# Altium PCB WunderBar_v102b.PcbDoc (part 5 of 7)
Units mil, origin at the board's own origin, x right, y up, seen from the top; angles counter-clockwise.
Board outline 4556.01 x 1552 mil, 4 copper layers (Top, Route2, Route15, Bottom), stack 52.756 mil thick; 380 components, 258 nets, 1400 pads, 528 vias.
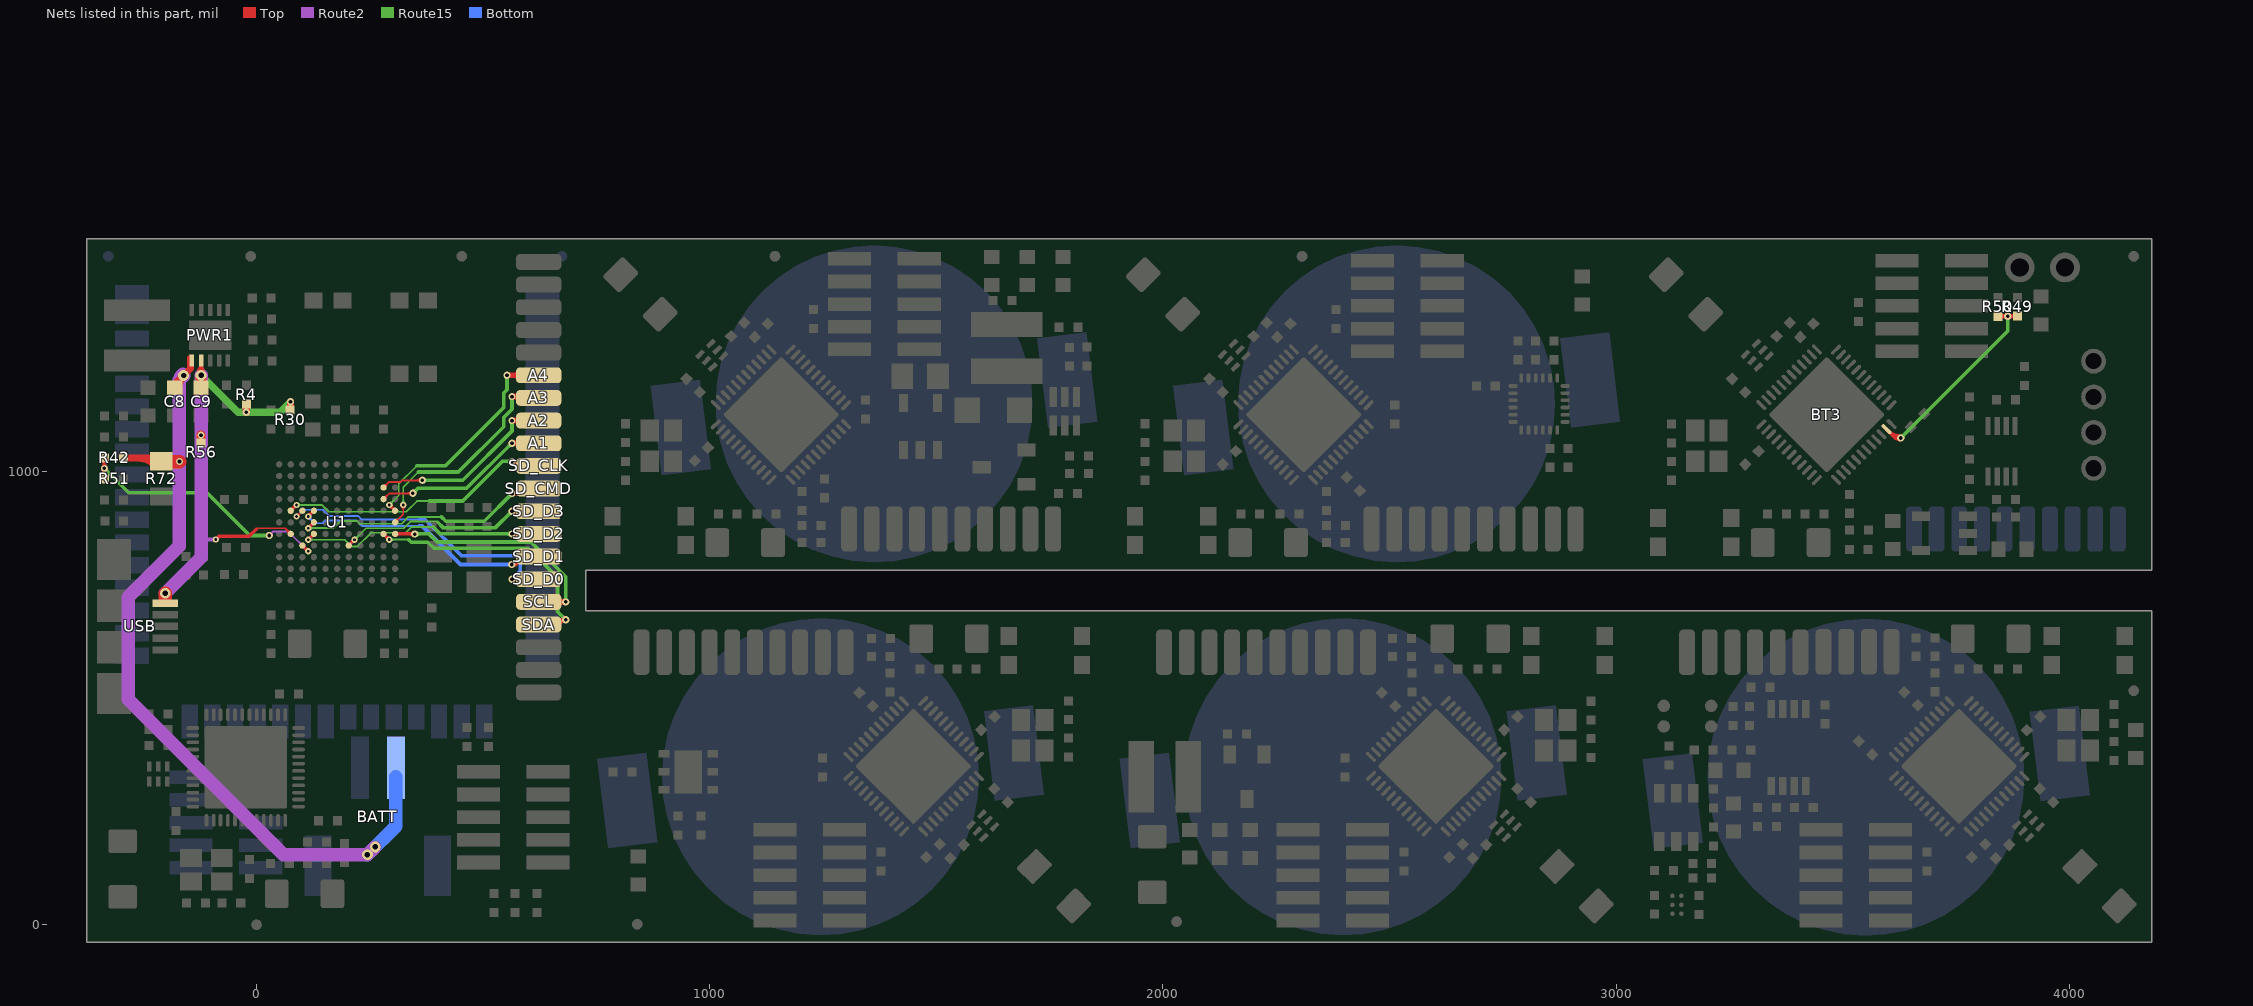
[diagram p7: the nets of this part, all layers, seen from the top]

## Via types
v1: diameter 16, hole 8, Top to Bottom, tented both sides, 282 vias
v2: diameter 24, hole 12, Top to Bottom, tented both sides, 135 vias
v3: diameter 14, hole 6, Top to Bottom, tented both sides, 34 vias
v4: diameter 48/41/41/48 (per signal layer), hole 32, Top to Bottom, 30 vias
v5: diameter 16, hole 8, Top to Route2, tented top, 18 vias
v6: diameter 21/21/21/21 (per signal layer), hole 12, Top to Bottom, tented both sides, 15 vias
v7: diameter 24, hole 12, Top to Route2, tented top, 12 vias
v8: diameter 21/21/21/21 (per signal layer), hole 12, Top to Bottom, 1 vias
v9: diameter 24, hole 8, Top to Bottom, tented both sides, 1 vias

## Nets (pads, with @x,y where several pads share a name; then routed paths per layer and width w, separated by ;. In a path a pad name is that pad's centre, name@x,y a point inside that pad or via, vN(x,y) a via of type N, cw(c..) or ccw(c..) an arc to the next point about the centre after c; other vN are vias at no path point) (continued)
USB_VBUS: C9.1 PWR1.2 R4.2 R30.1 R56.2 U1.G2 USB.1_VBUS | length 1114.2
  Top w4: -0.5,873 1.5,875 62.85,875 U1.G2@75.41,862.44 ; U1.G2@70.41,862.44 ccw(c58.34,862.44) 66.88,870.98 ccw(c75.41,879.51) U1.G2@75.41,867.44
  Top w8: -122.52,1225.48 PWR1.2@-122.52,1244.48 ; v3(-90,850) -83,857 -16.5,857 -0.5,873
  Top w16: v2(-122.52,1212.48) -122.52,1225.48 ; v1(-22.52,1130.77) R4.2@-22.52,1149.1 ; R30.1@73.93,1135.48 75,1136.55 v1(75,1154)
  Top w20: R56.2@-122.52,1063.15 v1(-122.52,1080.48)
  Top w24: C9.1@-122.52,1184.98 v2(-122.52,1212.48)
  Top w30: USB.1_VBUS@-201.52,716.66 v2(-201.52,731.48)
  Route2 w8: -122.04,810.96 -122,811 ; -122,850 v3@-91,850
  Route2 w30: v2(-201.52,731.48) -122.04,810.96 v2@-122.04,1212.48
  Route15 w16: v2@-122.04,1212 -40.81,1130.77 v1(-22.52,1130.77) 51.77,1130.77 v1(75,1154)
USER_A1: A1.1 U1.D10 | length 547.1
  Top w4: U1.D10@280.14,939.19 292.65,951.7 v1@345,951.7 ; U1.D10@280.14,944.19 ccw(c280.14,956.26) 288.68,947.73 ccw(c297.22,939.19) U1.D10@285.14,939.19 ; 329.79,951.7 ccw(c329.79,967.21) v1@340.76,956.24 ; 331.24,951.7 cw(c331.24,938.24) v1@340.76,947.76
  Top w8: v1@565.48,1059.02 cw(c570.31,1050.65) 572.81,1059.98 cw(c575.31,1069.31) v1@566.94,1064.48 ; v1@565.48,1065.94 ccw(c570.31,1074.31) 572.81,1064.98 ccw(c575.31,1055.65) v1@566.94,1060.48 ; v1@566.31,1059.65 cw(c573.14,1052.82) 573.14,1062.48 cw(c573.14,1072.14) v1@566.31,1065.31 ; A1.1@579.06,1054.54 ccw(c563.48,1043.22) v1(563.48,1062.48) ; A1.1@579.06,1070.42 cw(c563.48,1081.74) v1(563.48,1062.48) ; A1.1@622.48,1062.48 v1(563.48,1062.48)
  Route15 w8: v1(345,952) 356,963 463.33,963 562.82,1062.48 v1(563.48,1062.48) ; v1@345,956 ccw(c345,965.66) 351.83,958.83 ccw(c358.66,952) v1@349,952 ; 555.52,1055.18 cw(c563.48,1047.22) v1@563.48,1058.48 ; 557.12,1056.79 ccw(c551.43,1062.48) v1@559.48,1062.48
USER_A2: A2.1 U1.C10 | length 570.8
  Top w4: U1.C10@280.14,964.76 292.65,977.27 318.27,977.27 321.44,980.44 365.44,980.44 v1(365.91,980.91) ; U1.C10@280.14,969.76 ccw(c280.14,981.84) 288.68,973.3 ccw(c297.22,964.76) U1.C10@285.14,964.76 ; 350.3,980.44 ccw(c350.3,996.51) v1@361.66,985.15 ; 352.54,980.44 cw(c352.54,967.54) v1@361.66,976.66
  Top w8: v1@565.48,1109.02 cw(c570.31,1100.65) 572.81,1109.98 cw(c575.31,1119.31) v1@566.94,1114.48 ; v1@565.48,1115.94 ccw(c570.31,1124.31) 572.81,1114.98 ccw(c575.31,1105.65) v1@566.94,1110.48 ; v1@566.31,1109.65 cw(c573.14,1102.82) 573.14,1112.48 cw(c573.14,1122.14) v1@566.31,1115.31 ; A2.1@579.06,1104.54 ccw(c563.48,1093.22) v1(563.48,1112.48) ; A2.1@579.06,1120.42 cw(c563.48,1131.74) v1(563.48,1112.48) ; A2.1@622.48,1112.48 v1(563.48,1112.48)
  Route15 w8: v1(365.91,980.91) 454.91,980.91 563.48,1089.48 v1(563.48,1112.48) ; v1@368.73,978.08 cw(c375.56,971.25) 375.56,980.91 cw(c375.56,990.56) v1@368.73,983.73 ; v1@560.65,1109.65 cw(c553.82,1102.82) 563.48,1102.82 cw(c573.14,1102.82) v1@566.31,1109.65
USER_A3: A3.1 U1.F11 | length 644.4
  Top w4: U1.F11@305.74,888.02 323.65,905.93 v3(323.65,926.39) ; U1.F11@305.74,893.02 ccw(c305.74,905.1) 314.28,896.56 ccw(c322.81,888.02) U1.F11@310.74,888.02 ; v3@320.11,922.86 cw(c311.58,914.32) 323.65,914.32 cw(c335.72,914.32) v3@327.18,922.86
  Top w8: v1@564.63,1165.48 ccw(c564.63,1187.83) A3.1@580.43,1172.03 ; v1@565.48,1168.94 ccw(c570.82,1178.19) A3.1@573.58,1167.88 ; v1@565.86,1162.26 cw(c569.79,1156.95) 571.5,1163.33 cw(c573.21,1169.71) v1@567.15,1167.08 ; v1@566.31,1162.65 cw(c573.14,1155.82) 573.14,1165.48 cw(c573.14,1175.14) v1@566.31,1168.31 ; v1@566.94,1163.48 cw(c574.43,1159.16) 572.19,1167.51 ; A3.1@577.87,1156.52 ccw(c563.48,1149.45) v1(563.48,1165.48) A3.1@622.48,1165.48
  Route15 w4: v3@320.11,929.93 ccw(c311.58,938.47) 323.65,938.47 ccw(c335.72,938.47) v3@327.18,929.93 ; v3(323.65,926.39) 323.65,965.65 357,999
  Route15 w8: 357,999 445,999 545.17,1099.17 545.17,1119.49 563.48,1137.8 v1(563.48,1165.48) ; v1@560.65,1162.65 cw(c553.82,1155.82) 563.48,1155.82 cw(c573.14,1155.82) v1@566.31,1162.65
USER_A4: A4.1 U1.E11 | length 710.4
  Top w4: v3@292.39,921.42 cw(c291.18,910.4) U1.E11@300.79,915.95 ; v3@292.94,921.39 cw(c292.94,909.28) U1.E11@301.5,917.85 ; v3(292.94,926.39) U1.E11@305.74,913.61 ; v3@294.23,921.56 cw(c295.99,915.01) 299.38,920.89 ; v3@297.77,925.1 ccw(c304.25,923.36) 298.44,920.01 ; v3@297.91,926.95 ccw(c308.95,928.19) U1.E11@303.39,918.57 ; v3@297.94,926.39 ccw(c309.97,926.39) U1.E11@301.46,917.89 ; U1.E11@300.74,913.61 ccw(c288.67,913.61) 297.21,922.14 ccw(c305.74,930.68) U1.E11@305.74,918.61
  Top w8: v1(552.48,1212.48) A4.1@622.48,1212.48 ; v1@554.48,1209.02 cw(c561.48,1196.9) 565.1,1210.41 ; v1@554.48,1215.94 ccw(c561.48,1228.06) 565.1,1214.55 ; v1@555.31,1209.65 cw(c562.14,1202.82) 562.14,1212.48 cw(c562.14,1222.14) v1@555.31,1215.31 ; A4.1@580.43,1202.93 ccw(c557.39,1179.89) 557.39,1212.48 ccw(c557.39,1245.07) A4.1@580.43,1222.03
  Route15 w4: v3(292.94,926.39) 313.74,947.2 313.74,972.74 354,1013 ; v3@292.94,931.39 ccw(c292.94,943.47) 301.47,934.93 ccw(c310.01,926.39) v3@297.94,926.39
  Route15 w8: 354,1013 417,1013 545,1141 545,1173 552.48,1180.48 v1(552.48,1212.48) ; v1@549.65,1209.65 cw(c542.82,1202.82) 552.48,1202.82 cw(c562.14,1202.82) v1@555.31,1209.65
USER_I2C_SCL: SCL.1 U1.G11 | length 670.4
  Top w8: U1.G11@305.74,862.45 v1@349,862.45 ; U1.G11@307.86,860.33 cw(c312.99,855.21) 312.99,862.45 cw(c312.99,869.69) U1.G11@307.86,864.57 ; 338.26,862.45 cw(c338.26,851.26) v1@346.17,859.17 ; 340.43,862.45 ccw(c340.43,870.57) v1@346.17,864.83 ; SCL.1@622.48,712.48 v1(682,712.48) ; SCL.1@665.78,704.37 cw(c682,692.19) v1(682,712.48) ; SCL.1@665.78,720.59 ccw(c682,732.77) v1(682,712.48) ; v1@678.54,710.48 ccw(c670.17,705.65) 672.67,714.98 ccw(c675.17,724.31) v1@680,715.94 ; v1@678.54,714.48 cw(c670.17,719.31) 672.67,709.98 cw(c675.17,700.65) v1@680,709.02 ; v1@679.17,709.65 ccw(c672.34,702.82) 672.34,712.48 ccw(c672.34,722.14) v1@679.17,715.31
  Route15 w8: v1@349,862.45 380.55,862.45 398.43,844.57 605.43,844.57 682,768 v1(682,712.48) ; v1@351.83,859.17 cw(c359.74,851.26) 359.74,862.45 ; v1@351.83,864.83 ccw(c357.57,870.57) 357.57,862.45 ; v1@679.17,715.31 ccw(c672.34,722.14) 682,722.14 ccw(c691.66,722.14) v1@684.83,715.31
  other v1: 349,862
USER_I2C_SDA: SDA.1 U1.G10 | length 744.7
  Top w4: U1.G10@280.14,857.44 cw(c280.14,845.37) 288.68,853.91 cw(c297.22,862.44) U1.G10@285.14,862.44 ; U1.G10@280.14,862.44 v3(292.64,849.95) ; U1.G10@282.54,857.45 cw(c277.39,848.51) v3@287.66,849.48 ; U1.G10@285.14,860.04 ccw(c294.07,865.2) v3@293.1,854.93 ; 285.93,855.49 ccw(c289.5,861.66) v3@291.34,854.78 ; 287.09,856.65 cw(c280.92,853.09) v3@287.81,851.24 ; v3@287.64,849.95 ccw(c275.56,849.95) 284.1,858.49 ccw(c292.64,867.02) v3@292.64,854.95
  Top w8: SDA.1@622.48,662.48 633,673 v1(682,673) ccw(c682,659.29) SDA.1@668.39,660.9 ; SDA.1@660.44,661.84 cw(c673,660.36) 673,673 ; v1@679.17,670.17 ccw(c672.34,663.34) 672.34,673 ccw(c672.34,682.66) v1@679.17,675.83
  Route15 w4: v3(292.64,849.95) 335.05,849.95 ; v3@296.17,846.41 cw(c304.71,837.88) 304.71,849.95 cw(c304.71,862.02) v3@296.17,853.49
  Route15 w8: 335.05,849.95 341,844 378,844 391.33,830.67 599.67,830.67 664,766.33 664,691 v1(682,673) ; v1@678,673 ccw(c668.34,673) 675.17,679.83 ccw(c682,686.66) v1@682,677
USER_SD_CLK: SD_CLK.1 U1.E2 | length 760.1
  Top w4: U1.E2@75.41,913.6 v3(88.21,926.39) ; U1.E2@75.41,918.6 ccw(c75.41,930.67) 83.95,922.13 ccw(c92.48,913.6) U1.E2@80.41,913.6 ; U1.E2@77.76,918.56 ccw(c72.21,928.17) v3@83.24,926.95 ; U1.E2@80.37,915.94 cw(c89.98,910.4) v3@88.76,921.42 ; 81.79,920.89 cw(c85.17,915.05) v3@86.91,921.56 ; 82.7,919.98 ccw(c76.86,923.35) v3@83.38,925.1 ; v3@83.21,926.39 cw(c71.13,926.39) 79.67,917.86 cw(c88.21,909.32) v3@88.21,921.39
  Top w8: v1@566.31,1019.65 cw(c573.14,1012.82) 573.14,1022.48 cw(c573.14,1032.14) v1@566.31,1025.31 ; 572.5,1022.48 cw(c572.5,1010.38) SD_CLK.1@584.52,1011.82 ; SD_CLK.1@576.58,1010.87 ccw(c563.48,1009.29) v1(563.48,1022.48) SD_CLK.1@622.48,1022.48
  Route15 w4: v3(88.21,926.39) 143.92,926.39 158.84,911.47 196.78,911.47 ; v3@91.74,922.86 cw(c100.28,914.32) 100.28,926.39 cw(c100.28,938.47) v3@91.74,929.93 ; 196.8,911.49 330.23,911.49 330.48,911.23 354.25,935 381,935
  Route15 w8: 381,935 455,935 542.48,1022.48 v1(563.48,1022.48) ; v1@560.65,1019.65 ccw(c553.82,1012.82) 553.82,1022.48 ccw(c553.82,1032.14) v1@560.65,1025.31
USER_SD_CMD: SD_CMD.1 U1.F4 | length 728
  Top w4: v3@113.23,880.21 ccw(c112.02,891.21) U1.F4@121.61,885.68 ; v3(113.78,875.24) U1.F4@126.57,888.02 ; v3@113.78,880.24 ccw(c113.78,892.31) 122.32,883.77 ccw(c130.85,875.24) v3@118.78,875.24 ; v3@115.08,880.07 ccw(c116.83,886.6) 120.21,880.74 ; v3@118.61,876.53 cw(c125.14,878.28) 119.29,881.66 ; v3@118.75,874.69 cw(c129.76,873.47) U1.F4@124.22,883.06 ; U1.F4@121.57,888.02 cw(c109.5,888.02) 118.03,879.49 cw(c126.57,870.95) U1.F4@126.57,883.02
  Top w8: v1@566.31,948.65 cw(c573.14,941.82) 573.14,951.48 cw(c573.14,961.14) v1@566.31,954.31 ; 572.13,951.48 ccw(c572.13,963.88) SD_CMD.1@584.5,962.91 ; SD_CMD.1@576.52,963.54 cw(c563.48,964.56) v1(563.48,951.48) SD_CMD.1@622.48,951.48
  Route15 w4: v3(113.78,875.24) 169.14,875.24 184.9,891 222,891 228,885 320,885 335,900 408,900 ; v3@117.32,871.7 cw(c125.85,863.17) 125.85,875.24 cw(c125.85,887.31) v3@117.32,878.77
  Route15 w8: 408,900 417.71,890.29 502.29,890.29 v1(563.48,951.48) ; v1@559.48,951.48 cw(c549.82,951.48) 556.65,944.65 cw(c563.48,937.82) v1@563.48,947.48
USER_SD_D0: SD_D0.1 U1.E3 | length 710.5
  Top w4: v3(88.22,900.79) U1.E3@100.99,913.59 ; v3@88.22,905.79 ccw(c88.22,917.8) U1.E3@96.71,909.31 ; v3@93.22,900.79 cw(c105.35,900.79) U1.E3@96.77,909.37
  Top w8: v1(563.48,762.48) SD_D0.1@622.48,762.48
  Bottom w4: v3(88.22,900.79) 103.18,915.76 146.24,915.76 160,902 224.5,902 232.5,894 359,894 ; v3@88.22,905.79 ccw(c88.22,917.87) 96.75,909.33 ccw(c105.29,900.79) v3@93.22,900.79
  Bottom w8: 359,894 372,894 452,814 572,814 582,804 582,781 v1(563.48,762.48)
USER_SD_D1: SD_D1.1 U1.E4 | length 671.1
  Top w4: v3@113.23,905.74 ccw(c111.94,916.81) U1.E4@121.59,911.24 ; v3(113.81,900.77) v3(113.81,900.77) U1.E4@126.57,913.61 ; v3@113.81,905.77 ccw(c113.81,917.67) U1.E4@122.22,909.26 ; v3@115.1,905.6 ccw(c116.8,911.95) 120.09,906.26 ; v3@118.64,902.07 cw(c125.32,903.86) 119.33,907.31 ; v3@118.78,900.25 cw(c129.78,899.08) U1.E4@124.25,908.66 ; v3@118.81,900.77 cw(c131.06,900.77) U1.E4@122.39,909.43 ; U1.E4@121.57,913.61 cw(c109.5,913.61) 118.03,905.07 cw(c126.57,896.54) U1.E4@126.57,908.61
  Top w8: v1(563,795) 572,795 589.48,812.48 SD_D1.1@622.48,812.48
  Bottom w4: v3@113.81,895.77 cw(c113.81,883.7) 122.34,892.24 cw(c130.88,900.77) v3@118.81,900.77 ; v3(113.81,900.77) 128.63,885.95 145.57,885.95 151.62,892 220.49,892 232.49,880 359,880
  Bottom w8: 359,880 365,880 450,795 v1(563,795)
USER_SD_D2: SD_D2.1 U1.G4 | length 742.5
  Top w4: v3@113.23,854.63 ccw(c112.02,865.64) U1.G4@121.61,860.1 ; v3(113.78,849.66) U1.G4@126.57,862.45 ; v3@113.78,854.66 ccw(c113.78,866.73) 122.32,858.2 ccw(c130.85,849.66) v3@118.78,849.66 ; v3@115.08,854.49 ccw(c116.83,861.02) 120.21,855.17 ; v3@118.61,850.96 cw(c125.14,852.71) 119.29,856.09 ; v3@118.75,849.11 cw(c129.76,847.9) U1.G4@124.22,857.49 ; U1.G4@121.57,862.45 cw(c109.5,862.45) 118.03,853.91 cw(c126.57,845.38) U1.G4@126.57,857.45
  Top w8: v1@565.48,859.02 cw(c570.31,850.65) 572.81,859.98 cw(c575.31,869.31) v1@566.94,864.48 ; v1@565.48,865.94 ccw(c570.31,874.31) 572.81,864.98 ccw(c575.31,855.65) v1@566.94,860.48 ; v1@566.31,859.65 cw(c573.14,852.82) 573.14,862.48 cw(c573.14,872.14) v1@566.31,865.31 ; SD_D2.1@579.06,854.54 ccw(c563.48,843.22) v1(563.48,862.48) ; SD_D2.1@579.06,870.42 cw(c563.48,881.74) v1(563.48,862.48) ; SD_D2.1@622.48,862.48 v1(563.48,862.48)
  Route15 w4: v3(113.78,849.66) 194.92,849.66 209.86,834.73 222.38,834.73 252.66,865 329,865 342,878 390,878 ; v3@117.32,846.13 cw(c125.85,837.59) 125.85,849.66 cw(c125.85,861.73) v3@117.32,853.2
  Route15 w8: 390,878 405.52,862.48 v1(563.48,862.48) ; v1@560.65,859.65 ccw(c553.82,852.82) 553.82,862.48 ccw(c553.82,872.14) v1@560.65,865.31
USER_SD_D3: SD_D3.1 U1.H7 | length 645.7
  Top w4: U1.H7@203.36,836.86 v3(216.16,849.65) v3(216.16,849.65) ; U1.H7@203.36,841.86 ccw(c203.36,853.93) 211.9,845.39 ccw(c220.44,836.86) U1.H7@208.36,836.86 ; U1.H7@205.71,841.82 ccw(c200.16,851.43) v3@211.19,850.21 ; U1.H7@208.33,839.2 cw(c217.94,833.65) v3@216.71,844.68 ; 209.75,844.15 cw(c213.12,838.31) v3@214.87,844.82 ; 210.66,843.24 ccw(c204.81,846.61) v3@211.33,848.36 ; v3@211.16,849.65 cw(c199.09,849.65) 207.62,841.12 cw(c216.16,832.58) v3@216.16,844.65
  Top w8: v1@565.48,909.02 cw(c570.31,900.65) 572.81,909.98 cw(c575.31,919.31) v1@566.94,914.48 ; v1@565.48,915.94 ccw(c570.31,924.31) 572.81,914.98 ccw(c575.31,905.65) v1@566.94,910.48 ; v1@566.31,909.65 cw(c573.14,902.82) 573.14,912.48 cw(c573.14,922.14) v1@566.31,915.31 ; SD_D3.1@579.06,904.54 ccw(c563.48,893.22) v1(563.48,912.48) ; SD_D3.1@579.06,920.42 cw(c563.48,931.74) v1(563.48,912.48) ; SD_D3.1@622.48,912.48 v1(563.48,912.48)
  Route15 w4: v3(216.16,849.65) 241.51,875 324.97,875 339.97,890 399,890 ; v3@216.16,854.65 ccw(c216.16,866.72) 224.7,858.19 ccw(c233.23,849.65) v3@221.16,849.65
  Route15 w8: 399.57,888.09 411.28,876.39 527.39,876.39 v1(563.48,912.48) ; v1@559.48,912.48 cw(c549.82,912.48) 556.65,905.65 cw(c563.48,898.82) v1@563.48,908.48
V_POWER_SENSE: BT3.11 R49.1 R50.2 | length 651.6
  Top w8: BT3.11@3596.71,1093.47 3616.18,1074 v1(3628,1074) ; BT3.11@3600.99,1089.19 ccw(c3628,1116.19) v1@3628,1078 ; 3614.65,1075.53 ccw(c3628,1088.88) v1@3628,1070 ; v1@3625.17,1071.17 ccw(c3618.34,1064.34) 3618.34,1074 ccw(c3618.34,1083.66) v1@3625.17,1076.83 ; R50.2@3842.48,1342.48 v1(3864,1342.48) R49.1@3885.48,1342.48 ; R50.2@3846.72,1338.24 cw(c3856.97,1327.99) 3856.97,1342.48 cw(c3856.97,1356.97) R50.2@3846.72,1346.72 ; 3852.77,1341.36 cw(c3855.25,1332.11) v1@3861.42,1339.42 ; 3852.77,1343.6 ccw(c3855.25,1352.85) v1@3861.42,1345.54 ; v1@3861.17,1339.65 ccw(c3854.34,1332.82) 3854.34,1342.48 ccw(c3854.34,1352.14) v1@3861.17,1345.31 ; v1@3866.45,1345.64 ccw(c3872.69,1353.68) 3875.32,1343.85 ; v1@3866.71,1339.54 cw(c3872.78,1332.93) 3875.1,1341.6 ; v1@3866.83,1339.65 cw(c3873.66,1332.82) 3873.66,1342.48 cw(c3873.66,1352.14) v1@3866.83,1345.31 ; v1@3870.2,1342.48 ccw(c3870.2,1358.09) R49.1@3881.24,1347.05 ; v1@3871.79,1342.48 cw(c3871.79,1329.12) R49.1@3881.24,1338.57
  Route15 w8: v1(3628,1074) 3864,1310 v1(3864,1342.48) ; v1@3628,1078 ccw(c3628,1087.66) 3634.83,1080.83 ccw(c3641.66,1074) v1@3632,1074 ; v1@3861.17,1339.65 cw(c3854.34,1332.82) 3864,1332.82 cw(c3873.66,1332.82) v1@3866.83,1339.65
VBAT: BATT.1 C8.1 PWR1.1 R42.2 R72.2 | length 1933.1
  Top w16: R42.2@-293.68,1030.11 R72.2@-201.28,1030.11 ; -262.38,1030.11 cw(c-262.38,975.83) R72.2@-224.01,1014.21 ; C8.1@-180.48,1192.98 -146,1227.46 PWR1.1@-146,1250 ; C8.1@-171.48,1184.98 cw(c-130.44,1184.98) v2@-159.46,1214
  Top w30: R72.2@-186.76,1022.11 v1(-170,1022.11)
  Route2 w30: -171,1195.1 cw(c-144.1,1195.1) v2@-163.12,1214.12 ; v2(-161,1212) -171,1202 -171,835 -283.52,722.48 -283.52,497.48 59.48,154.48 v2(244.48,154.48) v2@261.06,171.06
  Bottom w30: v2(244.48,154.48) 307.48,217.48 BATT.1@307.48,326.25
  other v2: 262,172
VBAT_SENSE: R42.1 R51.2 U1.H3 | length 809.5
  Top w4: U1.H3@100.99,831.83 cw(c100.99,819.76) 109.52,828.3 cw(c118.06,836.83) U1.H3@105.99,836.83 ; U1.H3@100.99,836.83 v3(113.76,824.06) ; U1.H3@103.33,831.87 cw(c97.81,822.3) v3@108.79,823.51 ; U1.H3@105.95,834.49 ccw(c115.52,840.01) v3@114.31,829.03 ; 107.33,829.56 ccw(c110.72,835.43) v3@112.47,828.89 ; 108.26,830.49 cw(c102.39,827.1) v3@108.93,825.35 ; v3@108.76,824.06 ccw(c96.69,824.06) 105.23,832.59 ccw(c113.76,841.13) v3@113.76,829.06
  Top w8: R51.2@-339.6,987.94 ccw(c-349.84,998.18) -335.35,998.18 ccw(c-320.87,998.18) R51.2@-331.11,987.94 ; R42.1@-339.6,1025.87 cw(c-349.84,1015.62) -335.35,1015.62 ; v1@-338.63,1004.21 cw(c-346.54,996.3) -335.35,996.3 ; v1@-338.63,1009.87 ccw(c-346.54,1017.77) -335.35,1017.77 ; R51.2@-335.35,983.7 R42.1@-335.35,1030.11 ; -335.35,998.46 cw(c-327.22,998.46) v1@-332.97,1004.21 ; v1@-332.97,1009.87 cw(c-327.22,1015.62) -335.35,1015.62 ; R42.1@-331.11,1025.87 ccw(c-320.87,1015.62) -335.35,1015.62
  Route2 w4: v1(28,859) 36.83,867.83 ; v1@28.66,864.96 ccw(c29.77,874.89) 36.83,867.83 ; v1@33.96,859.66 cw(c43.89,860.77) 36.83,867.83 ; v3@108.76,824.06 ccw(c96.69,824.06) 105.23,832.59 ccw(c113.76,841.13) v3@113.76,829.06 ; v3(113.76,824.06) 69.99,867.83 36.83,867.83
  Route15 w8: v1@-335.8,1003.04 cw(c-335.8,993.38) -328.97,1000.21 cw(c-322.14,1007.04) v1@-331.8,1007.04 ; v1(-335.8,1007.04) -282.04,953.28 -109.28,953.28 -15,859 v1(28,859) ; v1@25.17,856.17 ccw(c18.34,849.34) 18.34,859 ccw(c18.34,868.66) v1@25.17,861.83